# Altium PCB CPU_CARD.pcbdoc (part 6 of 10)
Units mil, origin at the board's own origin, x right, y up, seen from the top; angles counter-clockwise.
Board outline 12785.46 x 11935.21 mil, 2 copper layers (Top Layer, Bottom Layer); 169 components, 379 nets, 1548 pads, 1023 vias.
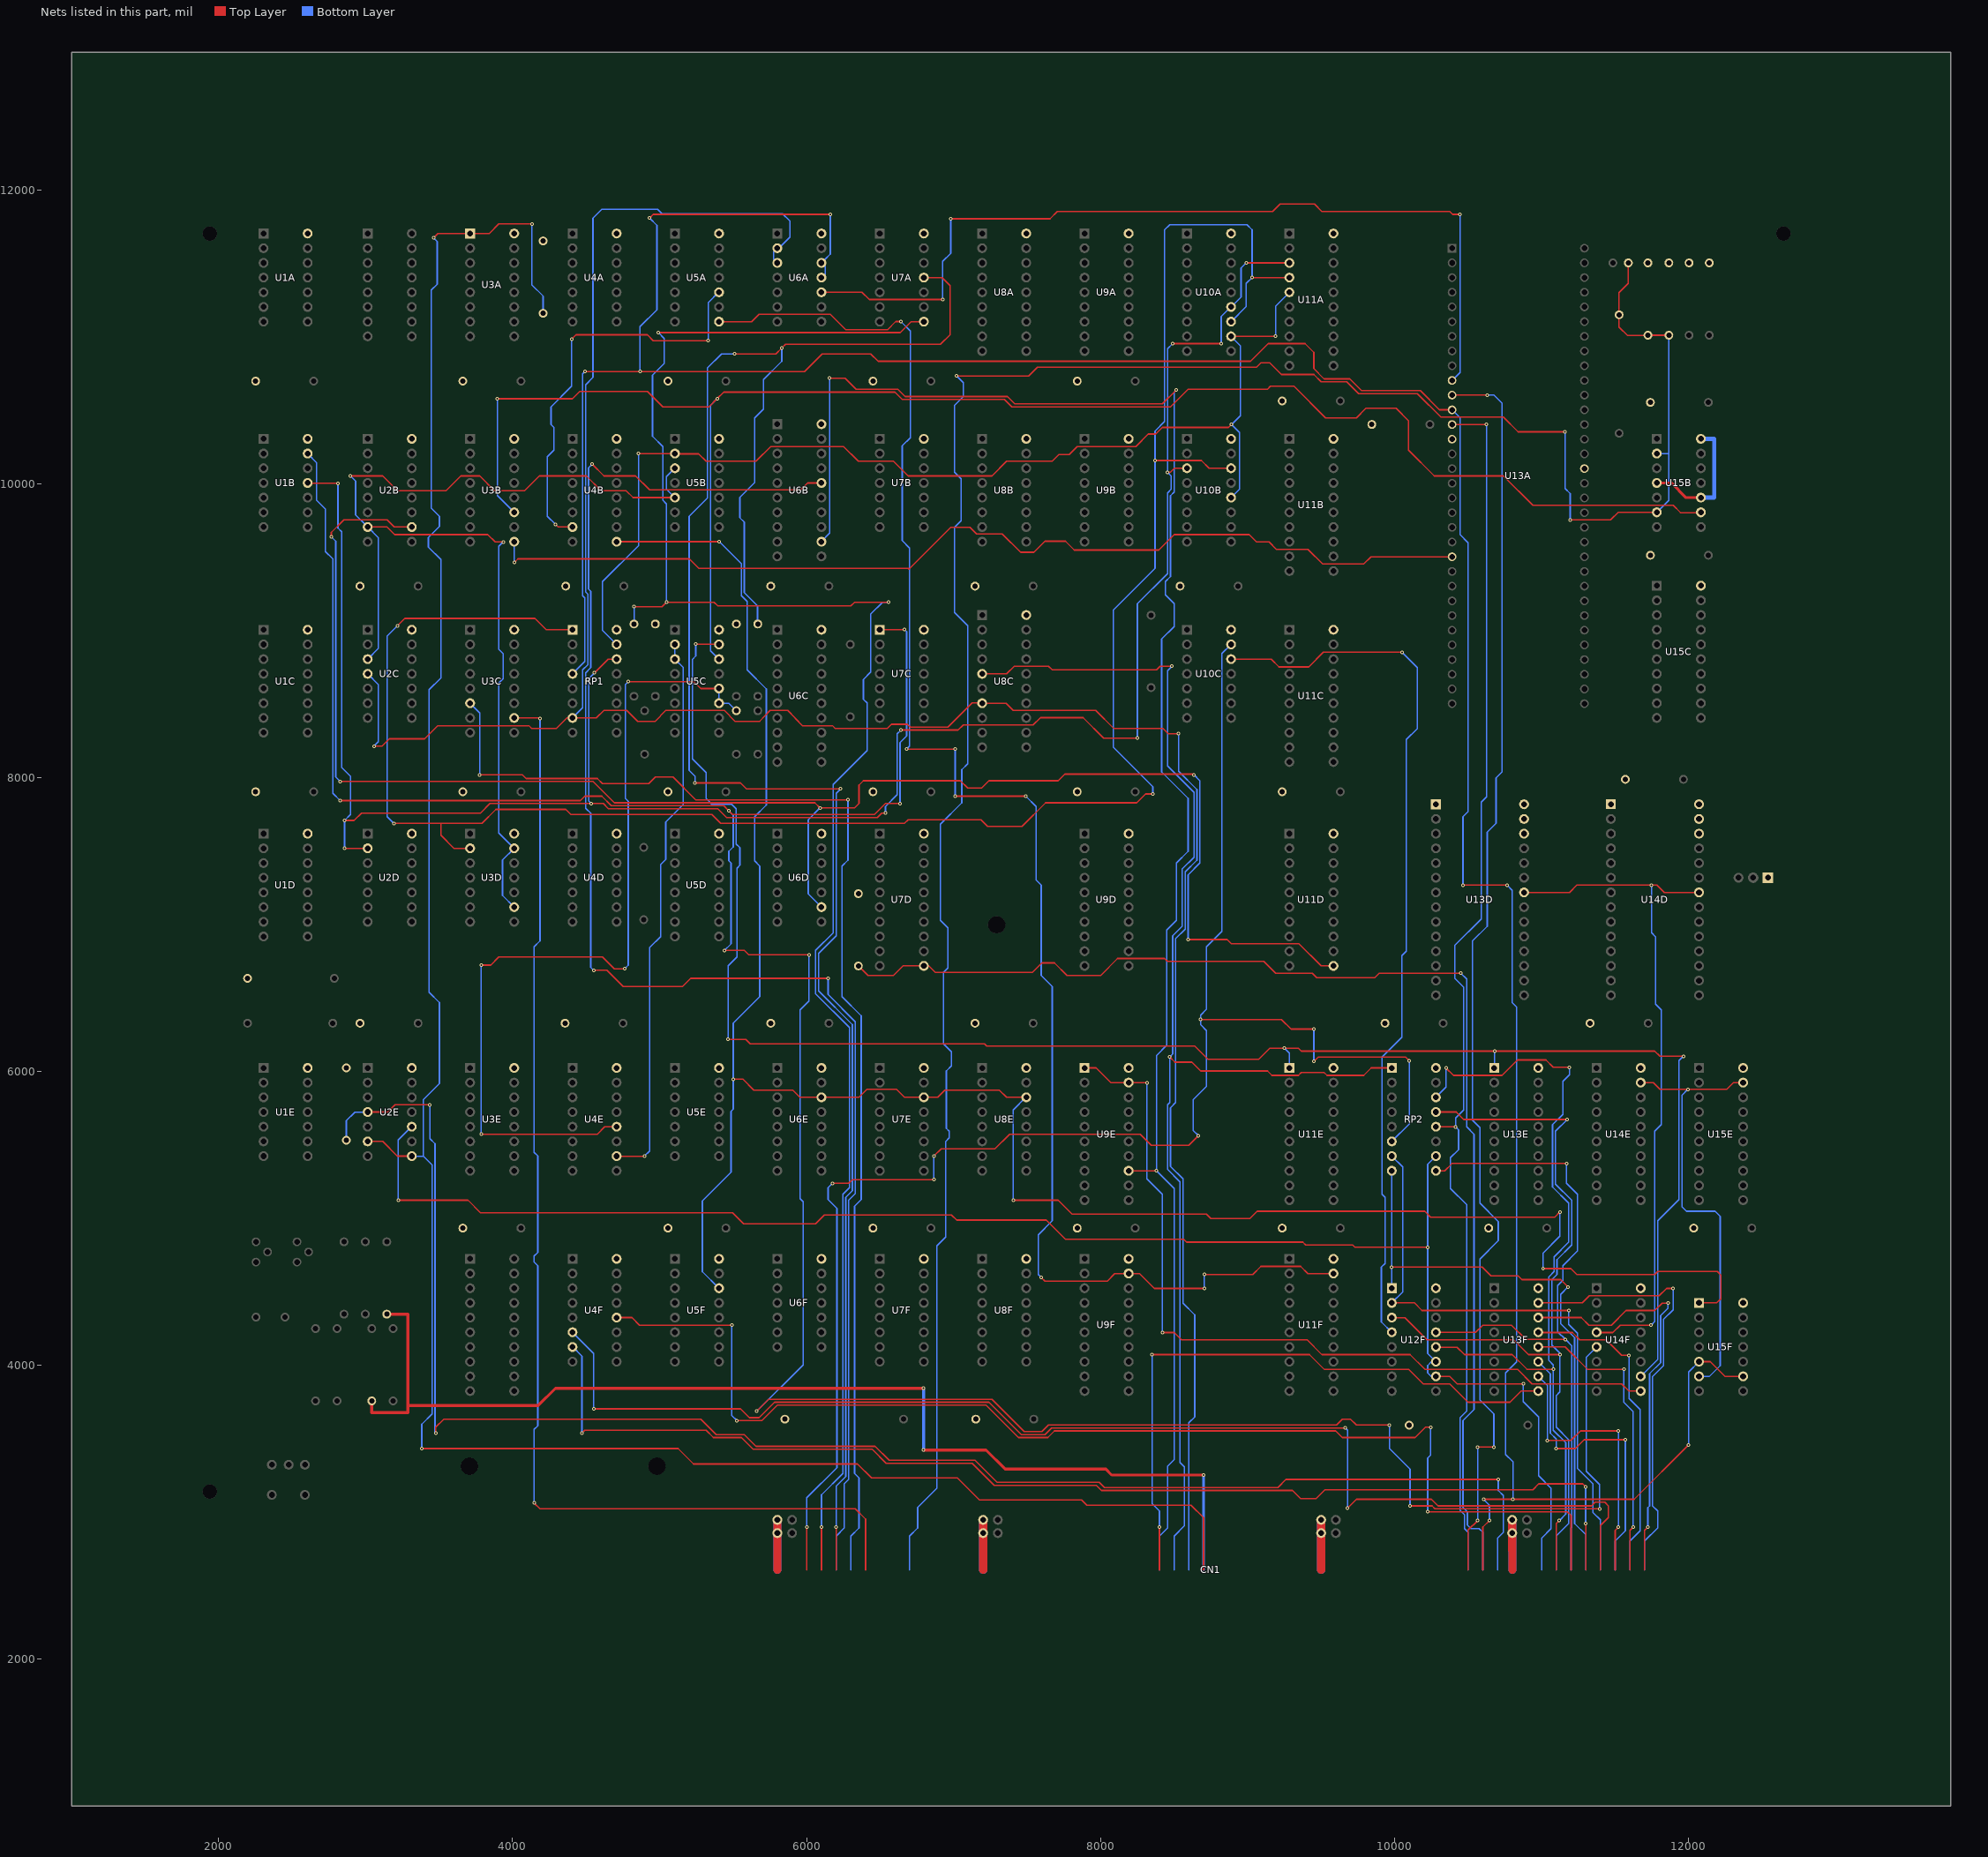
[diagram p6: the nets of this part, all layers, seen from the top]

## Footprints (in the part's own frame and the unit in brackets; to place one, negate y for a bottom-side part, rotate by r counter-clockwise, add the part's x,y. Pads: shape width x height; smd on the part's side, far side on the other; paste and mask are expansions set on the pad) (continued)
LISA_60_PIN_EDGE_MK5 [mm] (continued)
  Bottom Layer region: -69.815,4.952 -69.853,4.953 -69.853,4.953 -69.89,4.952 -69.89,4.952 -69.928,4.949 -69.928,4.949 -69.966,4.944 -69.966,4.944 -70.003,4.937 -70.003,4.937 -70.04,4.927 -70.04,4.927 -70.076,4.916 -70.076,4.916 -70.112,4.903 -70.112,4.903 -70.146,4.888 -70.146,4.888 -70.181,4.872 -70.181,4.872 -70.213,4.853 -70.213,4.853 -70.245,4.832 -70.245,4.832 -70.276,4.81 -70.276,4.81 -70.306,4.787 -70.306,4.787 -70.334,4.761 -70.334,4.761 -70.361,4.734 -70.361,4.734 -70.386,4.706 -70.386,4.706 -70.41,4.677 -70.41,4.677 -70.432,4.646 -70.432,4.646 -70.453,4.614 -70.453,4.614 -70.471,4.581 -70.471,4.581 -70.488,4.547 -70.488,4.547 -70.503,4.512 -70.503,4.512 -70.516,4.477 -70.516,4.477 -70.527,4.44 -70.527,4.44 -70.536,4.404 -70.536,4.404 -70.543,4.366 -70.543,4.366 -70.548,4.329 -70.548,4.329 -70.551,4.291 -70.551,4.291 -70.553,4.253 -70.553,4.253 -70.553,-4.953 -70.553,-4.953 -69.152,-4.953 -69.152,-4.953 -69.153,4.253 -69.153,4.253 -69.154,4.291 -69.154,4.291 -69.157,4.329 -69.157,4.329 -69.162,4.366 -69.162,4.366 -69.169,4.404 -69.169,4.404 -69.178,4.44 -69.178,4.44 -69.189,4.477 -69.189,4.477 -69.202,4.512 -69.202,4.512 -69.217,4.547 -69.217,4.547 -69.234,4.581 -69.234,4.581 -69.253,4.614 -69.253,4.614 -69.273,4.646 -69.273,4.646 -69.295,4.677 -69.295,4.677 -69.319,4.706 -69.319,4.706 -69.344,4.734 -69.344,4.734 -69.371,4.761 -69.371,4.761 -69.399,4.787 -69.399,4.787 -69.429,4.81 -69.429,4.81 -69.46,4.832 -69.46,4.832 -69.492,4.853 -69.492,4.853 -69.525,4.872 -69.525,4.872 -69.559,4.888 -69.559,4.888 -69.593,4.903 -69.593,4.903 -69.629,4.916 -69.629,4.916 -69.665,4.927 -69.665,4.927 -69.702,4.937 -69.702,4.937 -69.739,4.944 -69.739,4.944 -69.777,4.949 -69.777,4.949
  Bottom Layer region: -67.274,4.952 -67.312,4.953 -67.312,4.953 -67.35,4.952 -67.35,4.952 -67.388,4.949 -67.388,4.949 -67.425,4.944 -67.425,4.944 -67.463,4.937 -67.463,4.937 -67.5,4.927 -67.5,4.927 -67.536,4.916 -67.536,4.916 -67.571,4.903 -67.571,4.903 -67.606,4.888 -67.606,4.888 -67.64,4.872 -67.64,4.872 -67.673,4.853 -67.673,4.853 -67.705,4.832 -67.705,4.832 -67.736,4.81 -67.736,4.81 -67.765,4.787 -67.765,4.787 -67.794,4.761 -67.794,4.761 -67.821,4.734 -67.821,4.734 -67.846,4.706 -67.846,4.706 -67.87,4.677 -67.87,4.677 -67.892,4.646 -67.892,4.646 -67.912,4.614 -67.912,4.614 -67.931,4.581 -67.931,4.581 -67.948,4.547 -67.948,4.547 -67.963,4.512 -67.963,4.512 -67.976,4.477 -67.976,4.477 -67.987,4.44 -67.987,4.44 -67.996,4.404 -67.996,4.404 -68.003,4.366 -68.003,4.366 -68.008,4.329 -68.008,4.329 -68.011,4.291 -68.011,4.291 -68.012,4.253 -68.012,4.253 -68.012,-4.953 -68.012,-4.953 -66.612,-4.953 -66.612,-4.953 -66.612,4.253 -66.612,4.253 -66.613,4.291 -66.613,4.291 -66.616,4.329 -66.616,4.329 -66.621,4.366 -66.621,4.366 -66.629,4.404 -66.629,4.404 -66.638,4.44 -66.638,4.44 -66.649,4.477 -66.649,4.477 -66.662,4.512 -66.662,4.512 -66.677,4.547 -66.677,4.547 -66.694,4.581 -66.694,4.581 -66.713,4.614 -66.713,4.614 -66.733,4.646 -66.733,4.646 -66.755,4.677 -66.755,4.677 -66.779,4.706 -66.779,4.706 -66.804,4.734 -66.804,4.734 -66.831,4.761 -66.831,4.761 -66.859,4.787 -66.859,4.787 -66.889,4.81 -66.889,4.81 -66.92,4.832 -66.92,4.832 -66.952,4.853 -66.952,4.853 -66.984,4.872 -66.984,4.872 -67.018,4.888 -67.018,4.888 -67.053,4.903 -67.053,4.903 -67.089,4.916 -67.089,4.916 -67.125,4.927 -67.125,4.927 -67.162,4.937 -67.162,4.937 -67.199,4.944 -67.199,4.944 -67.237,4.949 -67.237,4.949
  Bottom Layer region: -72.355,4.952 -72.393,4.953 -72.393,4.953 -72.431,4.952 -72.431,4.952 -72.468,4.949 -72.468,4.949 -72.506,4.944 -72.506,4.944 -72.543,4.937 -72.543,4.937 -72.58,4.927 -72.58,4.927 -72.616,4.916 -72.616,4.916 -72.652,4.903 -72.652,4.903 -72.687,4.888 -72.687,4.888 -72.721,4.871 -72.721,4.871 -72.754,4.853 -72.754,4.853 -72.786,4.832 -72.786,4.832 -72.816,4.81 -72.816,4.81 -72.846,4.786 -72.846,4.786 -72.874,4.761 -72.874,4.761 -72.901,4.734 -72.901,4.734 -72.926,4.706 -72.926,4.706 -72.95,4.677 -72.95,4.677 -72.972,4.646 -72.972,4.646 -72.993,4.614 -72.993,4.614 -73.011,4.581 -73.011,4.581 -73.028,4.547 -73.028,4.547 -73.043,4.512 -73.043,4.512 -73.056,4.477 -73.056,4.477 -73.067,4.44 -73.067,4.44 -73.076,4.403 -73.076,4.403 -73.084,4.366 -73.084,4.366 -73.089,4.329 -73.089,4.329 -73.092,4.291 -73.092,4.291 -73.093,4.253 -73.093,4.253 -73.093,-4.953 -73.093,-4.953 -71.693,-4.953 -71.693,-4.953 -71.693,4.253 -71.693,4.253 -71.694,4.291 -71.694,4.291 -71.697,4.329 -71.697,4.329 -71.702,4.366 -71.702,4.366 -71.709,4.403 -71.709,4.403 -71.718,4.44 -71.718,4.44 -71.729,4.477 -71.729,4.477 -71.743,4.512 -71.743,4.512 -71.757,4.547 -71.757,4.547 -71.774,4.581 -71.774,4.581 -71.793,4.614 -71.793,4.614 -71.813,4.646 -71.813,4.646 -71.836,4.677 -71.836,4.677 -71.859,4.706 -71.859,4.706 -71.885,4.734 -71.885,4.734 -71.911,4.761 -71.911,4.761 -71.94,4.786 -71.94,4.786 -71.969,4.81 -71.969,4.81 -72,4.832 -72,4.832 -72.032,4.853 -72.032,4.853 -72.065,4.871 -72.065,4.871 -72.099,4.888 -72.099,4.888 -72.134,4.903 -72.134,4.903 -72.169,4.916 -72.169,4.916 -72.206,4.927 -72.206,4.927 -72.242,4.937 -72.242,4.937 -72.28,4.944 -72.28,4.944 -72.317,4.949 -72.317,4.949
  Bottom Layer region: -74.895,4.952 -74.933,4.953 -74.933,4.953 -74.971,4.952 -74.971,4.952 -75.009,4.949 -75.009,4.949 -75.046,4.944 -75.046,4.944 -75.084,4.937 -75.084,4.937 -75.12,4.927 -75.12,4.927 -75.157,4.916 -75.157,4.916 -75.192,4.903 -75.192,4.903 -75.227,4.888 -75.227,4.888 -75.261,4.872 -75.261,4.872 -75.294,4.853 -75.294,4.853 -75.326,4.832 -75.326,4.832 -75.357,4.81 -75.357,4.81 -75.386,4.787 -75.386,4.787 -75.414,4.761 -75.414,4.761 -75.441,4.734 -75.441,4.734 -75.467,4.706 -75.467,4.706 -75.49,4.677 -75.49,4.677 -75.513,4.646 -75.513,4.646 -75.533,4.614 -75.533,4.614 -75.552,4.581 -75.552,4.581 -75.568,4.547 -75.568,4.547 -75.583,4.512 -75.583,4.512 -75.596,4.477 -75.596,4.477 -75.608,4.44 -75.608,4.44 -75.617,4.404 -75.617,4.404 -75.624,4.366 -75.624,4.366 -75.629,4.329 -75.629,4.329 -75.632,4.291 -75.632,4.291 -75.633,4.253 -75.633,4.253 -75.633,-4.953 -75.633,-4.953 -74.233,-4.953 -74.233,-4.953 -74.233,4.253 -74.233,4.253 -74.234,4.291 -74.234,4.291 -74.237,4.329 -74.237,4.329 -74.242,4.366 -74.242,4.366 -74.249,4.404 -74.249,4.404 -74.259,4.44 -74.259,4.44 -74.27,4.477 -74.27,4.477 -74.283,4.512 -74.283,4.512 -74.298,4.547 -74.298,4.547 -74.315,4.581 -74.315,4.581 -74.333,4.614 -74.333,4.614 -74.354,4.646 -74.354,4.646 -74.376,4.677 -74.376,4.677 -74.4,4.706 -74.4,4.706 -74.425,4.734 -74.425,4.734 -74.452,4.761 -74.452,4.761 -74.48,4.787 -74.48,4.787 -74.509,4.81 -74.509,4.81 -74.54,4.832 -74.54,4.832 -74.572,4.853 -74.572,4.853 -74.605,4.872 -74.605,4.872 -74.639,4.888 -74.639,4.888 -74.674,4.903 -74.674,4.903 -74.71,4.916 -74.71,4.916 -74.746,4.927 -74.746,4.927 -74.783,4.937 -74.783,4.937 -74.82,4.944 -74.82,4.944 -74.857,4.949 -74.857,4.949
  Bottom Layer region: -77.435,4.952 -77.473,4.953 -77.473,4.953 -77.511,4.952 -77.511,4.952 -77.549,4.949 -77.549,4.949 -77.586,4.944 -77.586,4.944 -77.623,4.937 -77.623,4.937 -77.66,4.927 -77.66,4.927 -77.697,4.916 -77.697,4.916 -77.732,4.903 -77.732,4.903 -77.767,4.888 -77.767,4.888 -77.801,4.872 -77.801,4.872 -77.834,4.853 -77.834,4.853 -77.866,4.832 -77.866,4.832 -77.897,4.81 -77.897,4.81 -77.926,4.787 -77.926,4.787 -77.954,4.761 -77.954,4.761 -77.981,4.734 -77.981,4.734 -78.007,4.706 -78.007,4.706 -78.03,4.677 -78.03,4.677 -78.053,4.646 -78.053,4.646 -78.073,4.614 -78.073,4.614 -78.092,4.581 -78.092,4.581 -78.108,4.547 -78.108,4.547 -78.123,4.512 -78.123,4.512 -78.136,4.477 -78.136,4.477 -78.148,4.44 -78.148,4.44 -78.157,4.404 -78.157,4.404 -78.164,4.366 -78.164,4.366 -78.169,4.329 -78.169,4.329 -78.172,4.291 -78.172,4.291 -78.173,4.253 -78.173,4.253 -78.173,-4.953 -78.173,-4.953 -76.773,-4.953 -76.773,-4.953 -76.773,4.253 -76.773,4.253 -76.774,4.291 -76.774,4.291 -76.777,4.329 -76.777,4.329 -76.782,4.366 -76.782,4.366 -76.789,4.404 -76.789,4.404 -76.799,4.44 -76.799,4.44 -76.81,4.477 -76.81,4.477 -76.823,4.512 -76.823,4.512 -76.838,4.547 -76.838,4.547 -76.855,4.581 -76.855,4.581 -76.873,4.614 -76.873,4.614 -76.894,4.646 -76.894,4.646 -76.916,4.677 -76.916,4.677 -76.939,4.706 -76.939,4.706 -76.965,4.734 -76.965,4.734 -76.992,4.761 -76.992,4.761 -77.02,4.787 -77.02,4.787 -77.049,4.81 -77.049,4.81 -77.08,4.832 -77.08,4.832 -77.112,4.853 -77.112,4.853 -77.145,4.872 -77.145,4.872 -77.179,4.888 -77.179,4.888 -77.214,4.903 -77.214,4.903 -77.25,4.916 -77.25,4.916 -77.286,4.928 -77.286,4.928 -77.323,4.937 -77.323,4.937 -77.36,4.944 -77.36,4.944 -77.397,4.949 -77.397,4.949
LISA_CPU_2764_EPROM [mm]
  rect 1.7x1.7 hole 1: 1(-15.367,-8.001)
  round 1.7 hole 1: 2(-12.827,-8.001) 3(-10.287,-8.001) 4(-7.747,-8.001) 5(-5.207,-8.001) 6(-2.667,-8.001) 7(-0.127,-8.001) 8(2.413,-8.001) 9(4.953,-8.001) 10(7.493,-8.001) 11(10.033,-8.001) 12(12.573,-8.001) 13(15.113,-8.001) 14(17.653,-8.001) 15(17.653,7.239) 16(15.113,7.239) 17(12.573,7.239) 18(10.033,7.239) 19(7.493,7.239) 20(4.953,7.239) 21(2.413,7.239) 22(-0.127,7.239) 23(-2.667,7.239) 24(-5.207,7.239) 25(-7.747,7.239) 26(-10.287,7.239) 27(-12.827,7.239) 28(-15.367,7.239)
  silkscreen extent -17.24,-8.74 18.8,5.97
LISA_CPU_AXIAL_CAP [mil]
  round 60 hole 36: 1(-403.54,0) 2(403.54,0)
  silkscreen extent -330,-100 300,100
LISA_CPU_DIODE [mil]
  round 60 hole 36: 1(-245,-5) 2(247.12,-5)
  silkscreen extent -201,-110 205,25
LISA_CPU_TRANSISTOR [mm]
  round 1.5 hole 1: 1(-1.75,2) 2(0,0) 3(1.75,2)
  silkscreen extent -3,-1.3 3,5.3
LISA_CPU_XTAL [mil]
  round 60 hole 36: 1(-98.42,0) 2(98.43,0)
  Top Layer region: 225,670 -225,670 -225,100 225,100
  silkscreen extent -226,98 226,669
LISA_DIP_14 [mm]
  rect 1.7x1.7 hole 1: 1(-7.62,-3.81)
  round 1.7 hole 1: 2(-5.08,-3.81) 3(-2.54,-3.81) 4(0,-3.81) 5(2.54,-3.81) 6(5.08,-3.81) 7(7.62,-3.81) 8(7.62,3.81) 9(5.08,3.81) 10(2.54,3.81) 11(0,3.81) 12(-2.54,3.81) 13(-5.08,3.81) 14(-7.62,3.81)
  silkscreen extent -9.5,-4.54 8.76,2.54
LISA_DIP_16 [mm]
  rect 1.7x1.7 hole 1: 1(-8.89,-3.81)
  round 1.7 hole 1: 2(-6.35,-3.81) 3(-3.81,-3.81) 4(-1.27,-3.81) 5(1.27,-3.81) 6(3.81,-3.81) 7(6.35,-3.81) 8(8.89,-3.81) 9(8.89,3.81) 10(6.35,3.81) 11(3.81,3.81) 12(1.27,3.81) 13(-1.27,3.81) 14(-3.81,3.81) 15(-6.35,3.81) 16(-8.89,3.81)
  silkscreen extent -10.77,-4.54 10.16,2.54
LISA_DIP_18 [mm]
  rect 1.7x1.7 hole 1: 1(-10.16,-3.81)
  round 1.7 hole 1: 2(-7.62,-3.81) 3(-5.08,-3.81) 4(-2.54,-3.81) 5(0,-3.81) 6(2.54,-3.81) 7(5.08,-3.81) 8(7.62,-3.81) 9(10.16,-3.81) 10(10.16,3.81) 11(7.62,3.81) 12(5.08,3.81) 13(2.54,3.81) 14(0,3.81) 15(-2.54,3.81) 16(-5.08,3.81) 17(-7.62,3.81) 18(-10.16,3.81)
  silkscreen extent -12.04,-4.54 11.3,2.54
LISA_DIP_20 [mm]
  rect 1.7x1.7 hole 1: 1(-11.43,-3.81)
  round 1.7 hole 1: 2(-8.89,-3.81) 3(-6.35,-3.81) 4(-3.81,-3.81) 5(-1.27,-3.81) 6(1.27,-3.81) 7(3.81,-3.81) 8(6.35,-3.81) 9(8.89,-3.81) 10(11.43,-3.81) 11(11.43,3.81) 12(8.89,3.81) 13(6.35,3.81) 14(3.81,3.81) 15(1.27,3.81) 16(-1.27,3.81) 17(-3.81,3.81) 18(-6.35,3.81) 19(-8.89,3.81) 20(-11.43,3.81)
  silkscreen extent -13.31,-4.54 12.7,2.54
LISA_DISC_CERAMIC_CAPACITOR [mil]
  round 60 hole 36: 1(-145.28,0) 2(150,0)
  silkscreen extent -195,-60 200,60
LISA_RESISTOR [mil]
  round 60 hole 36: 1(-246.06,0) 2(246.06,0)
  silkscreen extent -205,-30 205,35
? [mil]

## Free pads (board coordinates)
  round 66.93 hole 39.37: 1(5801.7,2947.2) 1(7201.7,2947.2) 1(9501.7,2947.2) 1(10801.7,2947.2) 2(5901.7,2947.2) 2(7301.7,2947.2) 2(9601.7,2947.2) 2(10901.7,2947.2) 3(5801.7,2857.2) 3(7201.7,2857.2) 3(9501.7,2857.2) 3(10801.7,2857.2) 4(5901.7,2857.2) 4(7301.7,2857.2) 4(9601.7,2857.2) 4(10901.7,2857.2) 8(12341.69,7317.3) 9(2586.7,3322.2) 10(2476.7,3322.2) 11(2361.7,3322.2) 12(2361.7,3117.2) 13(2586.7,3117.2)
  round 60 hole 36: 14(2196.7,6327.2) 15(2196.7,6632.2) 16(2776.7,6327.2) 17(2786.7,6632.2) 18(11591.7,11502.2) 19(11486.7,11502.2)
  round 98.43 hole 98.43 unplated: ""(1939.18,3138.95) ""(1939.18,11701.92) ""(12647.82,11701.92)
  round 118.11 hole 118.11 unplated: ""(3706.7,3312.18) ""(4981.7,3312.2) ""(7293.5,6997.21)

## Via types
v1: diameter 24, hole 12, Top Layer to Bottom Layer, tented both sides, 1023 vias

## Nets (pads, with @x,y where several pads share a name; then routed paths per layer and width w, separated by ;. In a path a pad name is that pad's centre, name@x,y a point inside that pad or via, vN(x,y) a via of type N, cw(c..) or ccw(c..) an arc to the next point about the centre after c; other vN are vias at no path point)
+5V: C1.1 C2.1 C3.1 C4.1 C5.1 C6.1 C7.1 C9.2 C10.1 C11.1 C12.1 C13.1 C14.1 C15.1 C16.1 C17.1 C18.1 C20.1 C22.1 C23.1 C24.1 C25.1 C26.1 C27.1 C28.1 C29.1 C30.1 C31.1 C32.1 C33.1 C34.1 C35.1 C36.1 C37.1 C38.1 C40.1 C41.1 C42.1 CN1.19 CN1.20 CN1.45 CN1.46 CN1.91 CN1.92 CN1.119 CN1.120 CR1.2 J1.1 pad.1 pad.3 pad.15 R1.2 R2.2 R3.2 R5.1 R6.1 R11.1 R12.2 RP1.16 RP2.16 U1A.14 U1B.14 U1C.16 U1D.16 U1E.14 U2B.16 U2C.14 U2D.14 U2E.14 U3A.16 U3B.16 U3C.16 U3D.14 U3E.16 U4A.14 U4B.16 U4D.14 U4E.16 U4F.16 U5A.14 U5B.14 U5C.16 U5D.16 U5E.14 U5F.16 U6A.14 U6B.20 U6C.20 U6D.14 U6E.16 U6F.14 U7A.14 U7B.14 U7C.14 U7D.20 U7E.16 U7F.16 U8A.18 U8B.16 U8C.20 U8E.16 U8F.16 U9A.18 U9B.16 U9D.20 U9E.20 U9F.20 U10A.18 U10B.16 U10C.14 U11A.20 U11B.20 U11C.20 U11D.20 U11E.20 U11F.20 U12F.16 U13A.14 U13A.49 U13D.1 U13D.26 U13D.27 U13D.28 U13E.20 U13F.16 U14D.1 U14D.26 U14D.27 U14D.28 U14E.20 U14F.16 U15B.4 U15B.10 U15B.14 U15C.20 U15E.20 U15F.14 | length 3893.7
  Top Layer w10: CN1.120@5801.57,2607.2 5801.57,2857.07 pad.3@5801.7,2857.2
  Top Layer w19.68: U15B.4@11785.62,10004.29 11884.6,10004.3 11984.6,9904.3 U15B.10@12085.62,9904.29
  Top Layer w55.12: CN1.120@5801.57,2607.2 pad.3@5801.7,2857.2 pad.1@5801.7,2947.2 ; CN1.92@7201.66,2607.23 pad.3@7201.7,2857.2 pad.1@7201.7,2947.2 ; pad.1@9501.7,2947.2 pad.3@9501.7,2857.2 9502,2607.2 ; pad.1@10801.7,2947.2 pad.3@10801.7,2857.2 CN1.20@10802.06,2607.22
  Bottom Layer w29.53: U15B.10@12085.62,9904.29 12176.7,9904.3 12176.7,10304.3 U15B.14@12085.62,10304.29
  Bottom Layer w55.12: CN1.119@5801.57,2607.22 pad.3@5801.7,2857.2 pad.1@5801.7,2947.2 ; CN1.91@7201.66,2607.24 pad.3@7201.7,2857.2 pad.1@7201.7,2947.2 ; pad.1@9501.7,2947.2 pad.3@9501.7,2857.2 9502,2607.2 ; pad.1@10801.7,2947.2 pad.3@10801.7,2857.2 CN1.19@10802.06,2607.23
+12V: CN1.61 R14.2 R17.2 | length 7736.3
  Top Layer w19.68: R17.2@3041.5,3756.5 3041.5,3677.2 3286.7,3677.2 3286.7,4347 R14.2@3143.9,4347.04 ; 3286.7,3724.5 4174,3724.5 4291.7,3842.2 v1(6796.7,3842.2) ; v1(6796.7,3422.2) 7221.7,3422.2 7351.7,3292.2 7791.7,3292.2 8036.7,3292.2 8076.7,3252.2 v1(8701.7,3252.2)
  Bottom Layer w19.68: v1(6796.7,3422.2) v1(6796.7,3842.2) ; v1(8701.7,3252.2) 8701.88,3252.02 8701.88,2607.2
/AS: CN1.63 RP1.7 U2C.4 U6A.2 U6A.3 U8C.7 | length 17600.8
  Top Layer w10: v1(3056.7,8212.2) 3111.7,8212.2 3161.7,8262.2 3401.7,8262.2 3491.7,8352.2 4111.7,8352.2 4131.7,8332.2 4296.7,8332.2 4369.57,8405.07 RP1.7@4407.68,8405.08 ; RP1.7@4407.68,8405.08 4569.6,8405.1 4621.7,8457.2 4776.7,8457.2 4851.7,8382.2 4971.7,8382.2 5041.7,8455.87 5441.7,8455.87 5511.7,8382.2 5681.7,8382.2 5751.7,8455.87 5871.7,8455.87 5971.7,8352.2 6176.7,8352.2 6196.7,8332.2 6546.7,8332.2 6576.7,8362.2 6686.7,8362.2 6706.7,8342.2 6961.7,8342.2 7126.7,8507.2 7193,8507.2 U8C.7@7195.07,8505.08 ; U8C.7@7195.07,8505.08 7358.82,8505.08 7406.7,8457.2 7966.7,8457.2 8091.7,8332.2 8426.7,8332.2 8461.7,8297.2 v1(8531.7,8297.2)
  Bottom Layer w10: U2C.4@3013.98,8705.08 3086.7,8632.2 3086.7,8242.2 v1(3056.7,8212.2) ; RP1.7@4407.68,8405.08 4476.7,8474.1 4476.7,8732.2 4511.7,8767.2 4511.7,9247.2 4496.7,9262.2 4496.7,10672.2 4546.7,10722.2 4546.7,11807.2 4606.7,11867.2 4986.7,11867.2 5016.7,11837.2 5836.7,11837.2 5886.7,11787.2 5886.7,11677.2 5811.4,11601.9 U6A.2@5801.38,11601.92 5776.7,11577.2 5776.7,11527.2 U6A.3@5801.38,11501.92 ; v1(8531.7,8297.2) 8531.7,8042.2 8656.7,7917.2 8656.7,7437.2 8576.7,7357.2 8576.7,6967.2 8511.7,6902.2 8511.7,5787.2 8476.7,5752.2 8476.7,5352.2 8561.7,5267.2 8561.7,4422.2 8641.7,4342.2 8641.7,3647.2 8601.87,3607.37 8601.87,2607.2
/BERR: U3B.9 U13A.22 | length 6954.1
  Top Layer w10: v1(4011.7,9462.2) 4036.7,9487.2 5202.7,9487.2 5267.7,9422.2 6691.7,9422.2 6696.7,9417.2 6981.7,9702.2 7111.7,9702.2 7156.7,9657.2 7331.7,9657.2 7456.7,9532.2 7546.7,9532.2 7621.7,9607.2 7761.7,9607.2 7821.7,9547.2 8396.7,9547.2 8501.7,9652.2 9011.7,9652.2 9061.7,9602.2 9146.7,9602.2 9196.7,9552.2 9411.7,9552.2 9511.7,9452.2 9791.7,9452.2 9841.4,9501.9 U13A.22@10392.71,9501.93
  Bottom Layer w10: U3B.9@4010.83,9604.3 4011.7,9603.43 v1(4011.7,9462.2)
/BG: CN1.26 U13A.11 | length 8685
  Top Layer w10: U13A.11@10392.71,10601.93 v1(10631.7,10602.2) ; 10502.08,2607.2 10502.08,2877.58 v1(10566.7,2942.2) ; v1(10566.7,3442.2) v1(10676.7,3442.2)
  Bottom Layer w10: v1(10566.7,2942.2) 10566.7,3282.2 v1(10566.7,3442.2) ; v1(10631.7,10602.2) 10676.7,10602.2 10731.7,10547.2 10731.7,8037.2 10691.7,7997.2 10691.7,7687.2 10631.7,7627.2 10631.7,6987.2 10531.7,6887.2 10531.7,5667.2 10581.7,5617.2 10581.7,5102.2 10706.7,4977.2 10706.7,4847.2 10581.7,4722.2 10581.7,3762.2 10676.7,3667.2 v1(10676.7,3442.2)
/BGACK: CN1.24 RP1.4 U6A.11 U6A.12 U13A.12 U15F.5 U15F.9 | length 22061.2
  Top Layer w10: v1(4491.7,10762.2) v1(4866.7,10762.2) 5986.7,10762.2 6106.7,10882.2 6436.7,10882.2 6486.7,10832.2 9021.7,10832.2 9141.7,10952.2 9391.7,10952.2 9451.7,10892.2 9451.7,10782.2 9521.7,10712.2 9696.7,10712.2 9776.7,10632.2 10176.7,10632.2 10307,10501.9 U13A.12@10392.71,10501.93 ; v1(4931.7,11807.2) 4956.7,11832.2 v1(6161.7,11832.2) ; v1(10466.7,7267.2) v1(10766.7,7267.2) ; 10602.1,2607.2 10602.1,2897.6 v1(10646.7,2942.2) ; v1(10606.7,3087.2) v1(10806.7,3087.2) 11631.7,3087.2 v1(12001.7,3457.2) ; U15F.5@12073.02,4023.59 12150.31,4023.59 12251.7,3922.2 12371.63,3922.2 U15F.9@12373.02,3923.59
  Bottom Layer w10: RP1.4@4407.68,8705.08 4491.7,8789.1 4491.7,9222.2 4476.7,9237.2 4476.7,10747.2 v1(4491.7,10762.2) ; v1(4866.7,10762.2) 4866.7,11067.2 4981.7,11182.2 4981.7,11757.2 v1(4931.7,11807.2) ; U6A.11@6101.38,11401.92 6126.7,11427.2 6126.7,11476.6 U6A.12@6101.38,11501.92 6126.7,11527.2 6161.7,11562.2 v1(6161.7,11832.2) ; U13A.12@10392.71,10501.93 10446.7,10447.9 10446.7,9652.2 10501.7,9597.2 10501.7,7767.2 10466.7,7732.2 v1(10466.7,7267.2) ; v1(10606.7,3087.2) 10646.7,3047.2 v1(10646.7,2942.2) ; v1(10766.7,7267.2) 10801.7,7232.2 10801.7,6467.2 10831.7,6437.2 10831.7,4022.2 10756.7,3947.2 10756.7,3392.2 10806.7,3342.2 v1(10806.7,3087.2) ; v1(12001.7,3457.2) 12001.7,3952.28 U15F.5@12073.02,4023.59
/BR: CN1.25 RP2.12 U13A.13 | length 8418.4
  Top Layer w10: RP2.12@10282.48,5622.81 10283.09,5622.2 v1(10416.7,5622.2) ; U13A.13@10392.71,10401.93 v1(10626.7,10402.2)
  Bottom Layer w10: 10502.08,2607.2 10502.08,2861.82 10476.7,2887.2 10476.7,2982.2 10446.7,3012.2 10446.7,3642.2 10491.7,3687.2 10491.7,5092.2 10381.7,5202.2 10381.7,5412.2 10436.7,5467.2 10436.7,5602.2 v1(10416.7,5622.2) 10416.7,5682.2 10471.7,5737.2 10471.7,6572.2 10411.7,6632.2 10411.7,6857.2 10591.7,7037.2 10591.7,7832.2 10626.7,7867.2 v1(10626.7,10402.2)
/BUST: U3B.11 U5C.14 U15B.9 | length 11558.1
  Top Layer w10: v1(3896.7,10577.2) 4406.7,10577.2 4456.7,10627.2 4916.7,10627.2 5021.7,10522.2 5336.7,10522.2 v1(5392.39,10577.89) 5436.7,10622.2 6601.7,10622.2 6651.7,10572.2 7346.7,10572.2 7396.7,10522.2 8476.7,10522.2 8596.7,10642.2 9136.7,10642.2 9156.7,10662.2 9316.7,10662.2 9531.7,10447.2 9741.7,10447.2 9806.7,10512.2 10011.7,10512.2 10096.7,10427.2 10096.7,10227.2 10271.7,10052.2 10741.7,10052.2 10941.7,9852.2 11896.7,9852.2 11946.7,9802.2 12083.5,9802.2 U15B.9@12085.62,9804.29
  Bottom Layer w10: v1(3896.7,10577.2) 3896.7,9918.4 U3B.11@4010.83,9804.3 ; v1(5392.39,10577.89) 5346.7,10532.2 5346.7,8862.2 U5C.14@5404.53,8805.08
/CAS: CN1.108 U3C.10 | length 8220.6
  Top Layer w10: U3C.10@4010.83,8405.08 4183.83,8405.07 v1(4186.7,8402.2) ; v1(4146.7,3062.2) 4186.7,3022.2 6331.7,3022.2 6401.63,2952.27 CN1.108@6401.58,2607.22
  Bottom Layer w10: v1(4146.7,3062.2) 4146.7,3562.2 4171.7,3587.2 4171.7,4677.3 4146.7,4702.3 4146.7,4742.2 4171.7,4767.2 4171.7,5423.3 4146.7,5448.3 4146.7,6847.2 4186.7,6887.2 v1(4186.7,8402.2)
/CDACK: U6A.10 U13A.10 | length 6106.7
  Top Layer w10: U6A.10@6101.38,11301.92 6376.98,11301.92 6426.7,11252.2 v1(6926.7,11252.2) ; v1(6981.7,11802.2) 7656.7,11802.2 7706.7,11852.2 9171.7,11852.2 9221.7,11902.2 9456.7,11902.2 9506.7,11852.2 10376.7,11852.2 10396.7,11832.2 v1(10446.7,11832.2)